# Altium PCB FIT_TDC_ADC.PcbDoc (part 1 of 10) (continued)
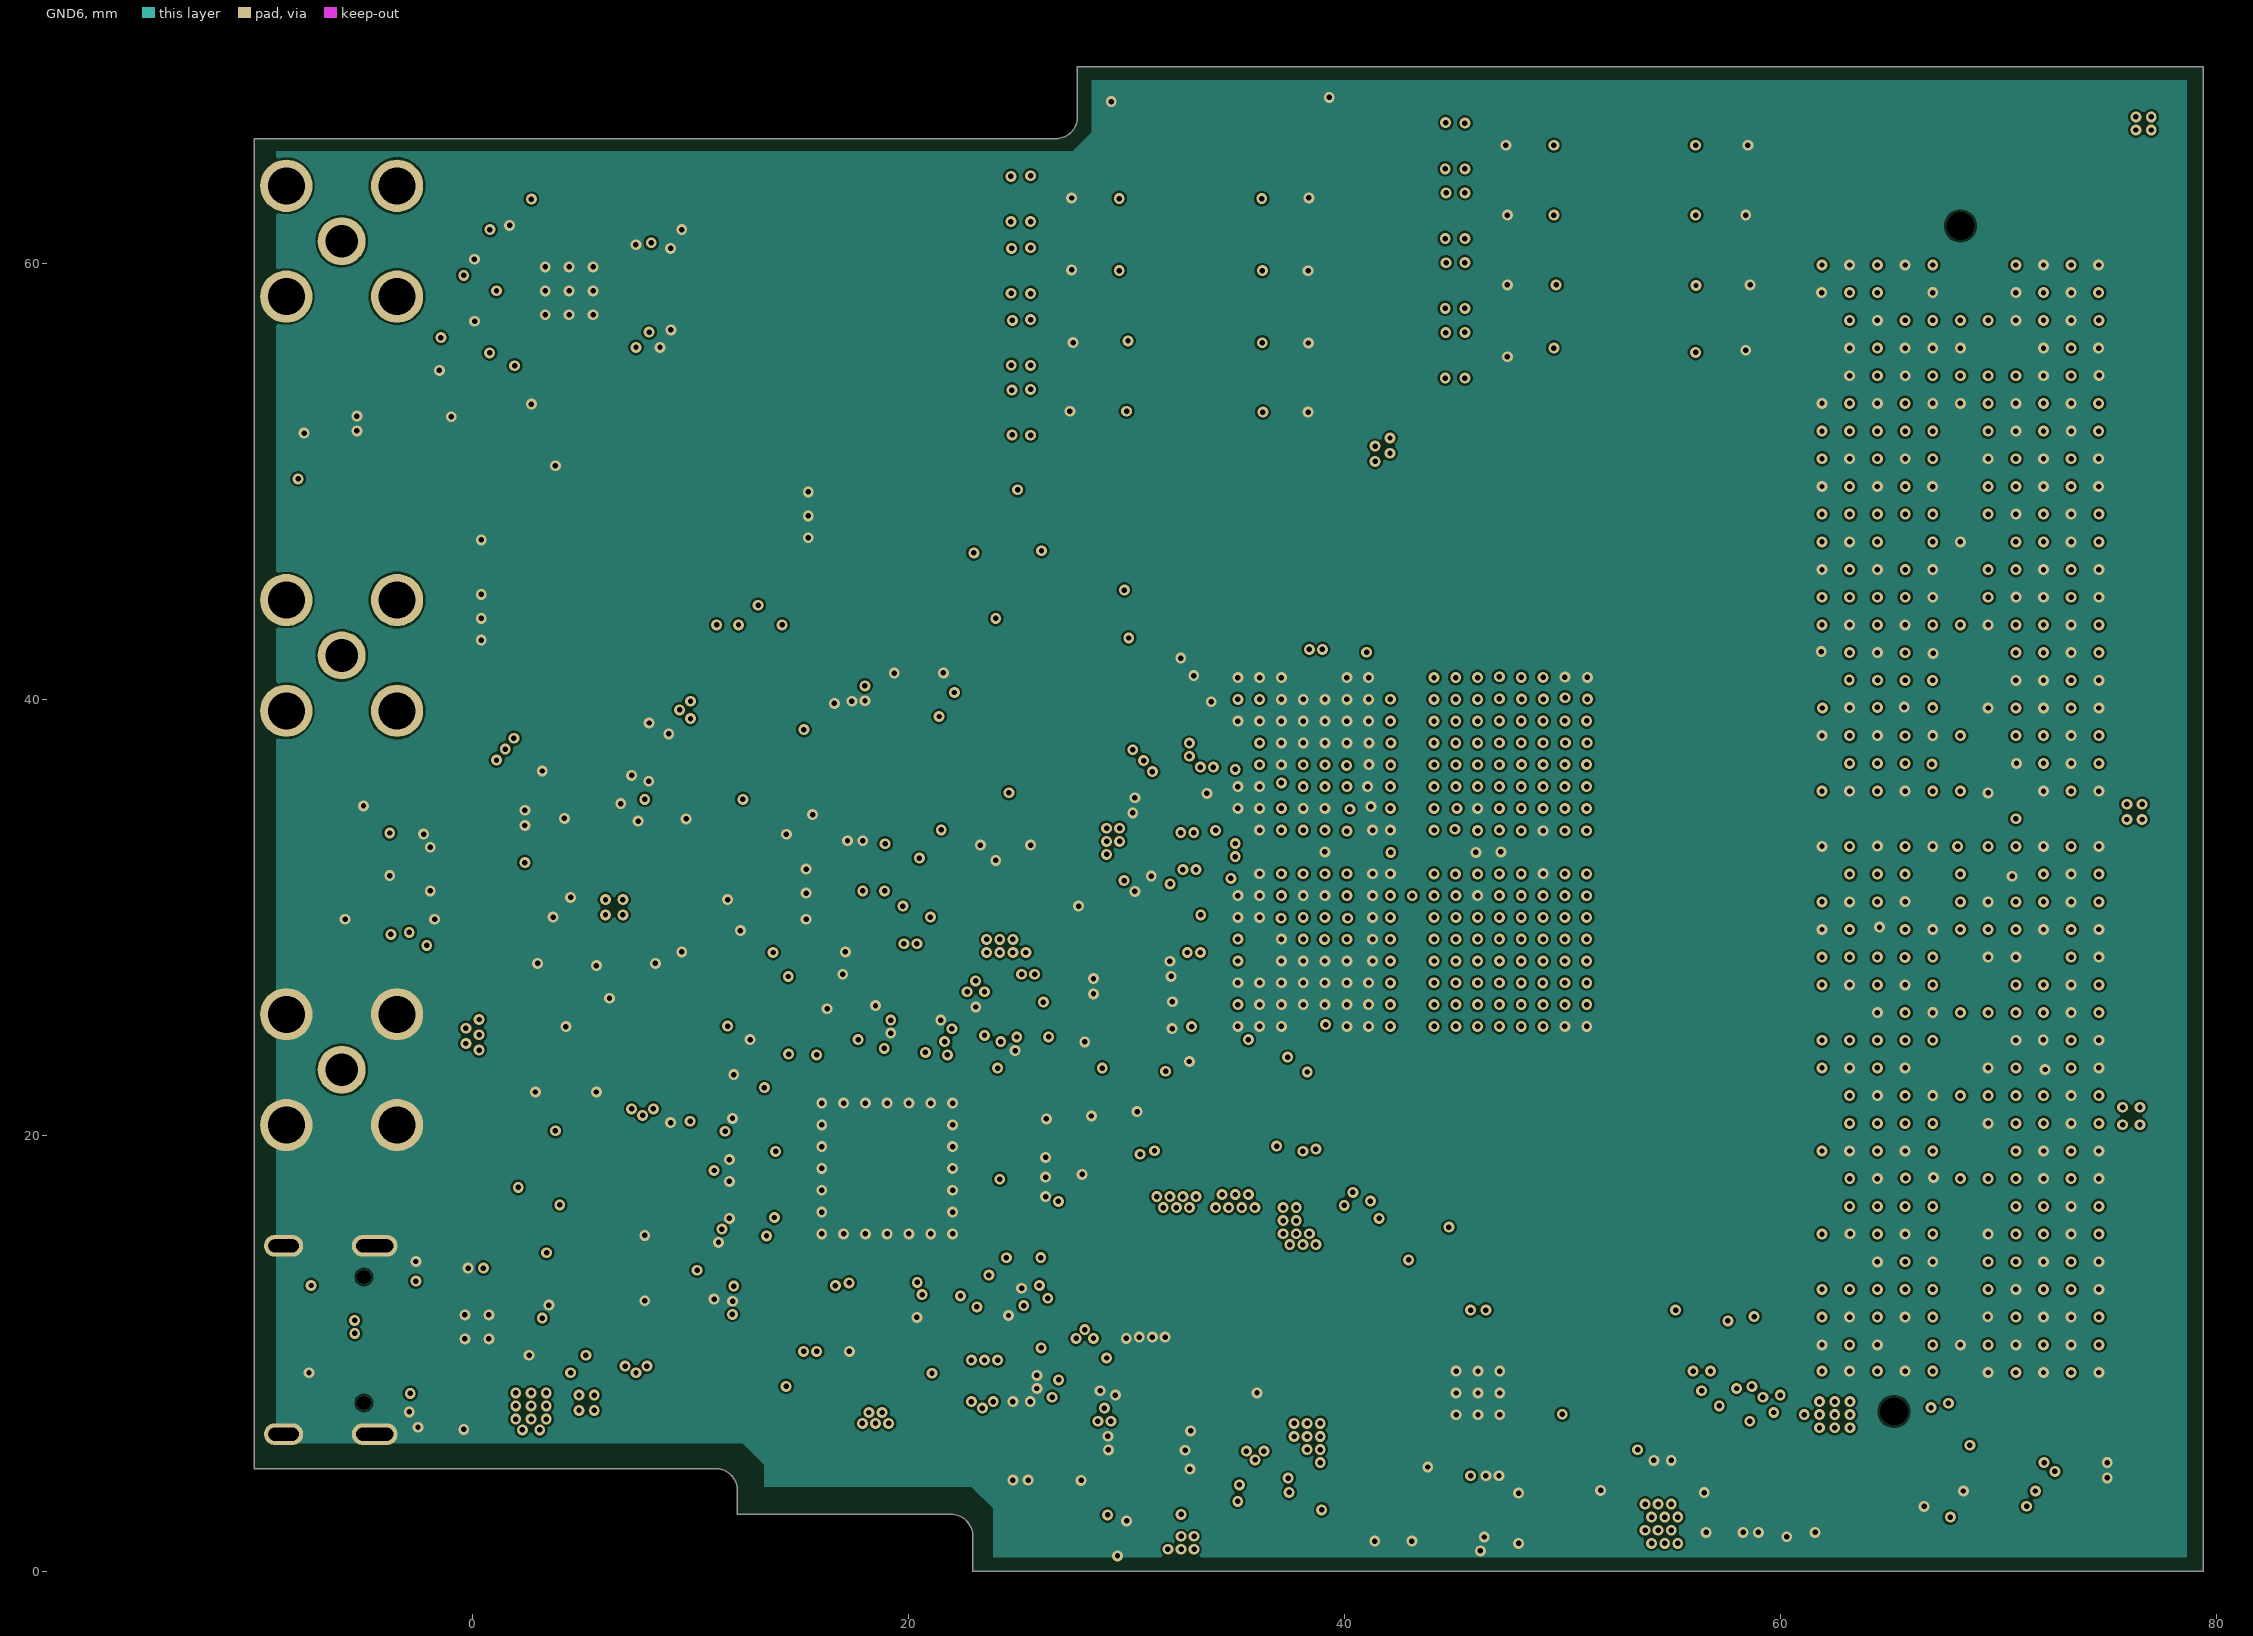
[diagram p7: GND6]
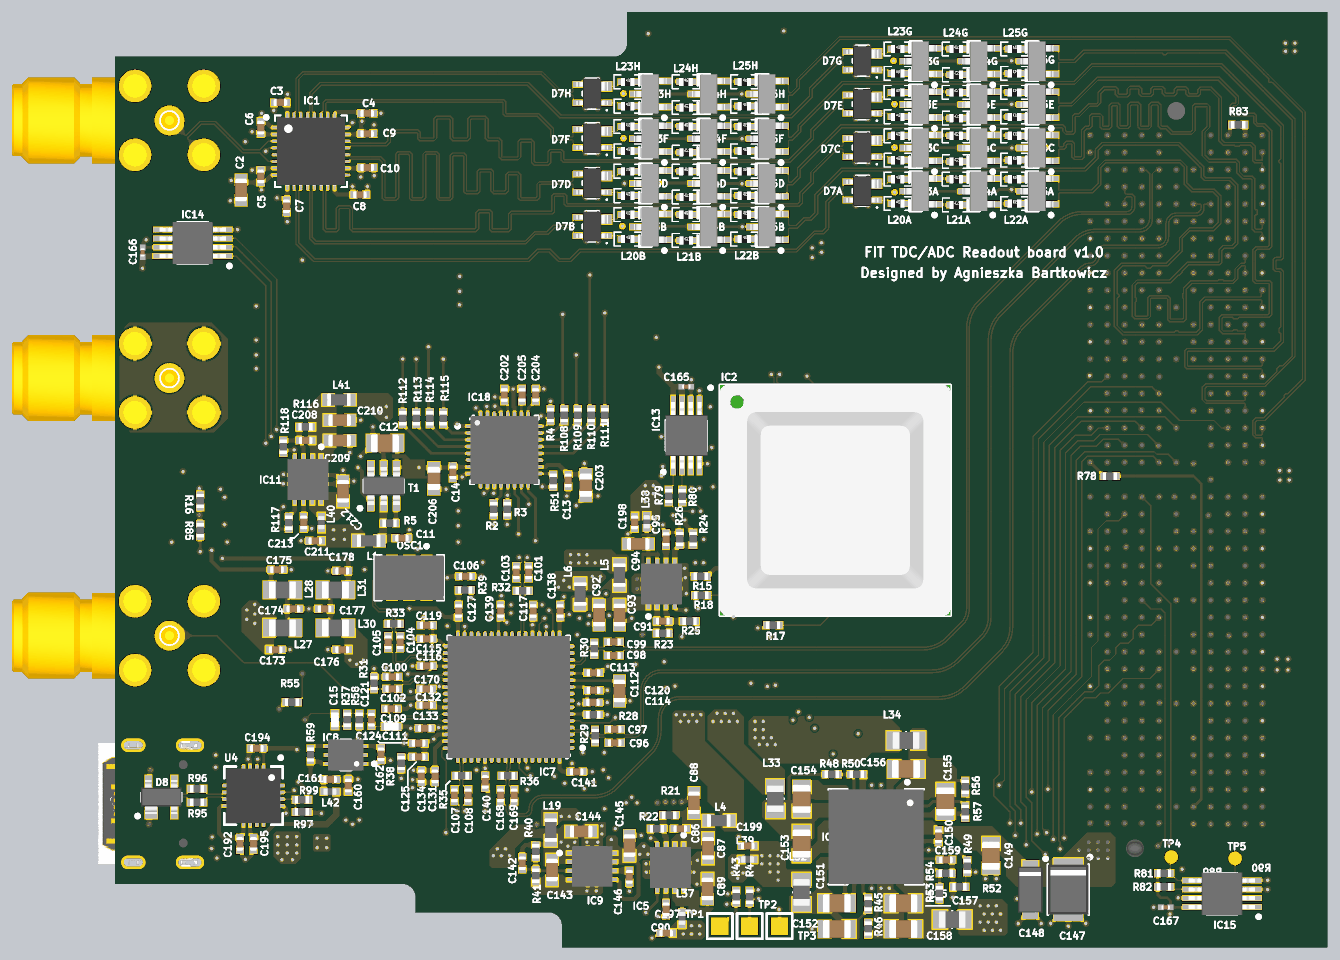
[diagram p17: 3D render of the assembled board from above, using the file's embedded part models]
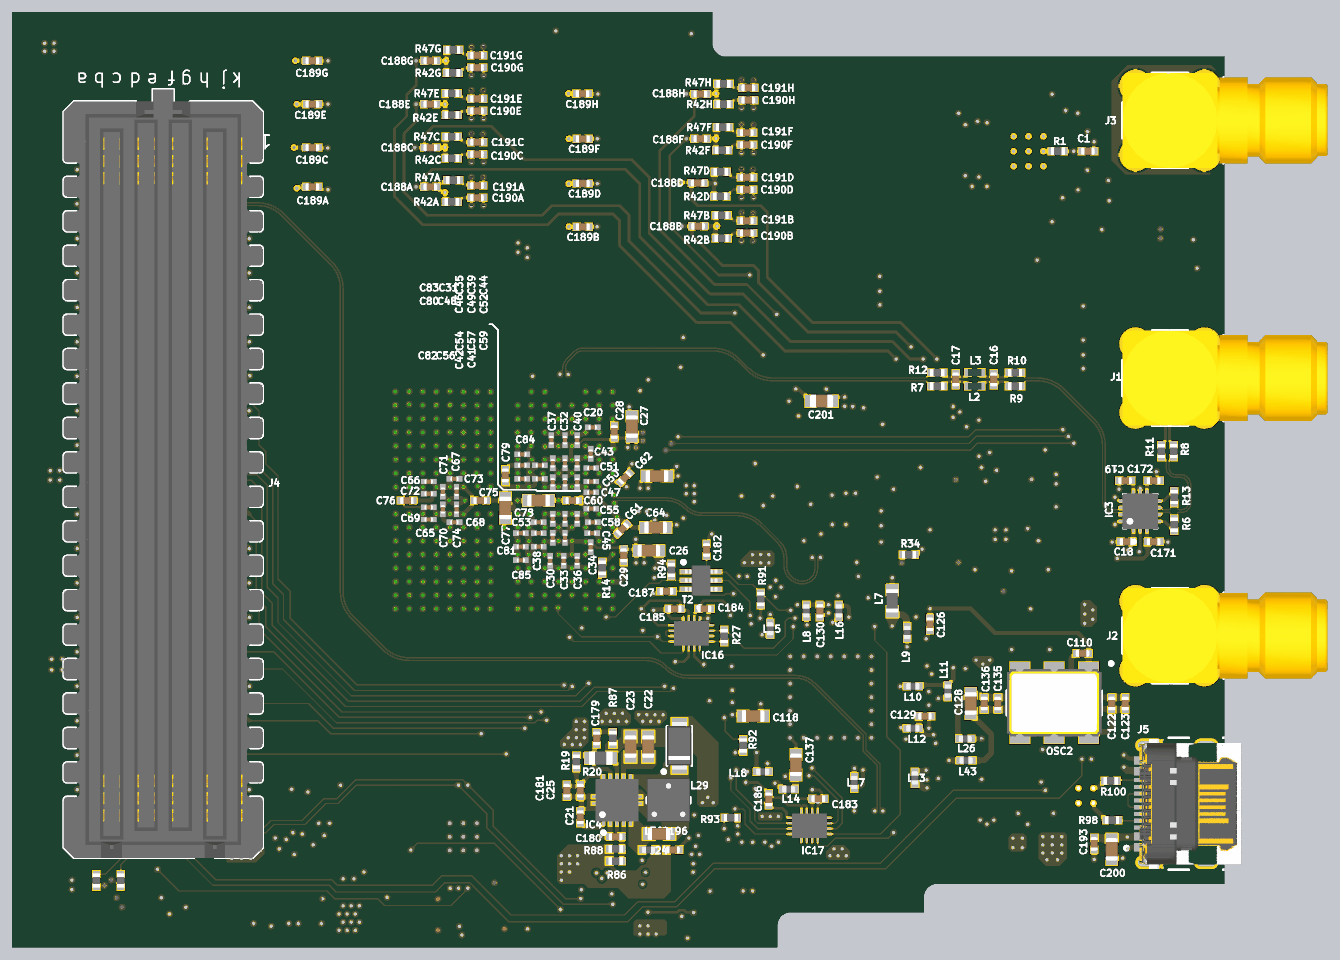
[diagram p18: 3D render of the assembled board from below, using the file's embedded part models]

## Layer stack, top to bottom
Top Solder: solder mask 0.0102, Solder Resist, Dk 3.5
Top Layer: signal copper 0.035
Dielectric 6: prepreg 0.0711, PP-006, Dk 4.1
GND1: signal copper 0.035
Dielectric 4: prepreg 0.0711, PP-006, Dk 4.1
SIGNAL2: signal copper 0.0356
Dielectric 2: prepreg 0.0711, PP-006, Dk 4.1
POWER3: signal copper 0.035
Dielectric 1: dielectric 0.32, FR-4, Dk 4.8
POWER4: signal copper 0.035
Dielectric 3: prepreg 0.0711, PP-006, Dk 4.1
SIGNAL5: signal copper 0.0356
Dielectric 5: prepreg 0.0711, PP-006, Dk 4.1
GND6: signal copper 0.035
Dielectric 7: prepreg 0.0711, PP-006, Dk 4.1
Bottom Layer: signal copper 0.035
Bottom Solder: solder mask 0.0102, Solder Resist, Dk 3.5

## Board outline
11.15,4.7 cw(c11.15,3.7) 12.15,3.7 12.15,2.6 21.95,2.6 cw(c21.95,1.6) 22.95,1.6 22.95,0 79.385,0 79.385,69 27.75,69 27.75,66.7 cw(c26.75,66.7) 26.75,65.7 -10,65.7 -10,4.7

## Design rules (kind name [scope] priority, off if disabled: settings)
Clearance Clearance_pwr [InNetClass('PWR') vs InNetClass('PWR')] p1: gap=0.15 ignorepadtopadclearanceinfootprint=FALSE
Clearance [All] p2: gap=0.1 ignorepadtopadclearanceinfootprint=FALSE
ComponentClearance [All] p1: gap=0.2 collisioncheckmode=3 verticalgap=0.2 showdistances=FALSE donotcheckwithout3dbody=TRUE
DiffPairsRouting [All] p1: maxlimit=0.4 minlimit=0.1 mostfreqgap=0.1 toplayer_minwidth=0.1 toplayer_maxwidth=0.2 toplayer_prefwidth=0.1 midlayer1_minwidth=0.1 midlayer1_maxwidth=0.2 midlayer1_prefwidth=0.1 midlayer2_minwidth=0.1 midlayer2_maxwidth=0.2 midlayer2_prefwidth=0.1 midlayer3_minwidth=0.1 midlayer3_maxwidth=0.2 midlayer3_prefwidth=0.1 midlayer4_minwidth=0.1 midlayer4_maxwidth=0.2 midlayer4_prefwidth=0.1 midlayer5_minwidth=0.1 midlayer5_maxwidth=0.2 midlayer5_prefwidth=0.1 midlayer6_minwidth=0.1 midlayer6_maxwidth=0.2 midlayer6_prefwidth=0.1 bottomlayer_minwidth=0.1 bottomlayer_maxwidth=0.2 bottomlayer_prefwidth=0.1 maxuncoupledlength=12.7
HoleSize [All] p1: absolutevalues=TRUE maxlimit=4 minlimit=0.25 maxpercent=80.000 minpercent=20.000
HoleToHoleClearance [All] p1: gap=0.3 allowstackedmicrovias=TRUE
MinimumSolderMaskSliver [All] p1: minsoldermaskwidth=0
NetAntennae [InNetClass('Test_Point')] p1: netantennaetolerance=3
PasteMaskExpansion [All] p1: expansion=-0.05
PolygonConnect PolygonConnect_gnd [All vs InNet('GND')] p1: connectstyle=Direct reliefconductorwidth=0.254 reliefentries=4 polygonreliefangle="90 Angle" airgapwidth=0.254
PolygonConnect PolygonConnect_pwr [All vs InNetClass('PWR')] p2: connectstyle=Direct reliefconductorwidth=0.254 reliefentries=4 polygonreliefangle="90 Angle" airgapwidth=0.254
PolygonConnect [All] p3: thpad.connectstyle=Relief thpad.reliefconductorwidth=0.3 thpad.reliefentries=4 thpad.polygonreliefangle="90 Angle" thpad.airgapwidth=0.15 smdpad.connectstyle=Relief smdpad.reliefconductorwidth=0.3 smdpad.reliefentries=4 smdpad.polygonreliefangle="90 Angle" smdpad.airgapwidth=0.15 via.connectstyle=Direct via.reliefconductorwidth=0.3 via.reliefentries=4 via.polygonreliefangle="90 Angle" via.airgapwidth=0.15
RoutingVias [All] p1: holewidth=0.3 width=0.6 viastyle="Through Hole" minholewidth=0.25 minwidth=0.5 maxholewidth=0.7 maxwidth=1
SilkToSilkClearance [All] p1: silktosilkclearance=0
SilkToSolderMaskClearance [IsPad] p1: minsilkscreentomaskgap=0 clearancetoexposedcopper=TRUE
SolderMaskExpansion [All] p1: expansion=0.05 istentingtop=FALSE
SupplyNets "Schematic Supply Nets_6" [InNet('P3V3_PLL_VXCO')] p1: voltage=0.000
SupplyNets "Schematic Supply Nets_3" [InNet('GND_VXCO')] p2: voltage=0.000
SupplyNets "Schematic Supply Nets_5" [InNet('P5V0')] p3: voltage=0.000
SupplyNets "Schematic Supply Nets_4" [InNet('P5V0_AVP')] p4: voltage=0.000
SupplyNets "Schematic Supply Nets" [InNet('P12V0_VCAP')] p5: voltage=0.000
SupplyNets "Schematic Supply Nets_2" [InNet('P5V0_USB')] p6: voltage=0.000
SupplyNets "Schematic Supply Nets_29" [InNet('P2V5FRONTEND')] p7: voltage=0.000
SupplyNets "Schematic Supply Nets_28" [InNet('P1V8')] p8: voltage=0.000
SupplyNets "Schematic Supply Nets_27" [InNet('P12V0')] p9: voltage=0.000
SupplyNets "Schematic Supply Nets_26" [InNet('P3V3AUX')] p10: voltage=0.000
SupplyNets "Schematic Supply Nets_25" [InNet('P1V8A')] p11: voltage=0.000
SupplyNets "Schematic Supply Nets_24" [InNet('N2V5FRONTEND')] p12: voltage=0.000
SupplyNets "Schematic Supply Nets_7" [InNet('P2V5')] p13: voltage=0.000
SupplyNets "Schematic Supply Nets_23" [InNet('VADJ')] p14: voltage=0.000
SupplyNets "Schematic Supply Nets_21" [InNet('VIO_B_M2C')] p15: voltage=0.000
SupplyNets "Schematic Supply Nets_20" [InNet('VA_1V1')] p16: voltage=0.000
SupplyNets "Schematic Supply Nets_19" [InNet('VREF_B_M2C')] p17: voltage=0.000
SupplyNets "Schematic Supply Nets_17" [InNet('PLL_VTUNE1')] p18: voltage=0.000
SupplyNets "Schematic Supply Nets_16" [InNet('VD_1V1')] p19: voltage=0.000
SupplyNets "Schematic Supply Nets_15" [InNet('3P3V')] p20: voltage=0.000
SupplyNets "Schematic Supply Nets_14" [InNet('PLL_VCC_BUF')] p21: voltage=0.000
SupplyNets "Schematic Supply Nets_13" [InNet('PLL_VTUNE2')] p22: voltage=0.000
SupplyNets "Schematic Supply Nets_12" [InNet('PLL_VCC_CLKOUT_PLANE')] p23: voltage=0.000
SupplyNets "Schematic Supply Nets_11" [InNet('VA_1V9')] p24: voltage=0.000
SupplyNets "Schematic Supply Nets_10" [InNet('PLL_VCC_PLANE')] p25: voltage=0.000
SupplyNets "Schematic Supply Nets_1" [InNet('GND')] p26: voltage=0.000
Width [All] p1: maxlimit=1 minlimit=0.1 preferedwidth=0.1
21 further rules are at their usual default settings.

## Classes and differential pairs
component class U_TDC_VTUNE_DAC: C11 C12 C13 C14 C201 C202 C203 C204 C205 C206 C208 C209 C210 C211 C212 C213 IC11 IC18 L1 L40 L41 R2 R3 R4 R5 R51 R108 R109 R110 R111 R112 R113 R114 R115 R116 R117 R118 T1
component class U_USB_UART: C192 C193 C194 C195 C200 D8 J5 R95 R96 R97 R98 R99 R100 U4
net class Test_Point: CLK3_BIDIR_N CLK3_BIDIR_P DP0_C2M_N DP0_C2M_P DP0_M2C_N DP0_M2C_P DP1_C2M_N DP1_C2M_P DP2_C2M_N DP2_C2M_P DP3_C2M_N DP3_C2M_P DP4_C2M_N DP4_C2M_P DP5_C2M_N DP5_C2M_P DP6_C2M_N DP6_C2M_P DP7_C2M_N DP7_C2M_P DP8_C2M_N DP8_C2M_P DP9_C2M_N DP9_C2M_P HA14_N HA15_N HA18_N HA19_N HA20_N HA21_N HA22_N HA23_N HB07_N HB08_N HB10_N HB11_N HB12_N HB14_N HB15_N HB18_N LA14_N LA15_N LA16_N LA19_N RES0 TCK TDI TDO TMS TRST_L
net class TRANSCIVERS: GTY_RX_CH_N1 GTY_RX_CH_N2 GTY_RX_CH_N3 GTY_RX_CH_N4 GTY_RX_CH_N5 GTY_RX_CH_N6 GTY_RX_CH_N7 GTY_RX_CH_N8 GTY_RX_CH_P1 GTY_RX_CH_P2 GTY_RX_CH_P3 GTY_RX_CH_P4 GTY_RX_CH_P5 GTY_RX_CH_P6 GTY_RX_CH_P7 GTY_RX_CH_P8
net class PLL_SPI: HA14_P HA15_P HA17_CC_P HA21_P
net class PLL_CONTROL: HA18_P HA19_N HA19_P HA20_N HA20_P
net class I2C: HA14_P HA15_P HA17_CC_P HA23_P
net class CLOCKS: ADC_CLK_N ADC_CLK_P CLK0_M2C_N CLK0_M2C_P GBTCLK0_M2C_N GBTCLK0_M2C_P
net class ADC_SPI: \\ADC_SCS ADC_SCK ADC_SDI ADC_SDO
net class ADC_DATA_C: DC_CLK_N DC_CLK_P DC_D0_N DC_D0_P DC_D1_N DC_D1_P DC_D2_N DC_D2_P DC_D3_N DC_D3_P DC_D4_N DC_D4_P DC_D5_N DC_D5_P DC_D6_N DC_D6_P DC_D7_N DC_D7_P DC_D8_N DC_D8_P DC_D9_N DC_D9_P DC_D10_N DC_D10_P DC_D11_N DC_D11_P DC_STR_N DC_STR_P
net class ADC_DATA_D: DD_CLK_N DD_CLK_P DD_D0_N DD_D0_P DD_D1_N DD_D1_P DD_D2_N DD_D2_P DD_D3_N DD_D3_P DD_D4_N DD_D4_P DD_D5_N DD_D5_P DD_D6_N DD_D6_P DD_D7_N DD_D7_P DD_D8_N DD_D8_P DD_D9_N DD_D9_P DD_D10_N DD_D10_P DD_D11_N DD_D11_P DD_STR_N DD_STR_P
net class ADC_DATA_B: DB_CLK_N DB_CLK_P DB_D0_N DB_D0_P DB_D1_N DB_D1_P DB_D2_N DB_D2_P DB_D3_N DB_D3_P DB_D4_N DB_D4_P DB_D5_N DB_D5_P DB_D6_N DB_D6_P DB_D7_N DB_D7_P DB_D8_N DB_D8_P DB_D9_N DB_D9_P DB_D10_N DB_D10_P DB_D11_N DB_D11_P DB_STR_N DB_STR_P
net class ADC_DATA_A: DA_CLK_N DA_CLK_P DA_D0_N DA_D0_P DA_D1_N DA_D1_P DA_D2_N DA_D2_P DA_D3_N DA_D3_P DA_D4_N DA_D4_P DA_D5_N DA_D5_P DA_D6_N DA_D6_P DA_D7_N DA_D7_P DA_D8_N DA_D8_P DA_D9_N DA_D9_P DA_D10_N DA_D10_P DA_D11_N DA_D11_P DA_STR_N DA_STR_P
net class ADC_CONTROL: \\SYNCSE ADC_PD CALSTAT CALTRIG HB11_P HB12_P HB14_P HB15_P
channel class TDC_CH: TDC_DL_CHB TDC_DL_CHC TDC_DL_CHD TDC_DL_CHE TDC_DL_CHF TDC_DL_CHG TDC_DL_CHH TDC_DL_CHI
net class VCTRL_A_CH[1..8]: VCTRL_A_CH1 VCTRL_A_CH2 VCTRL_A_CH3 VCTRL_A_CH4 VCTRL_A_CH5 VCTRL_A_CH6 VCTRL_A_CH7 VCTRL_A_CH8
net class PWR: N2V5FRONTEND NetC22_2 NetC24_2 NetC86_2 NetC91_2 NetC145_2 NetC151_2 NetC153_2 NetC155_2 NetC157_2 NetC208_2 NetC212_2 NetD6_1 P1V8 P1V8A P2V5 P2V5FRONTEND P5V0 P5V0_AVP P12V0 P12V0_VCAP PLL_VCC_BUF PLL_VCC_CLKOUT_PLANE PLL_VCC_PLANE PLL_VCCP1 PLL_VCCP2 VA_1V1 VA_1V9 VD_1V1
net class GTY_RX_CH_P[1..8]: GTY_RX_CH_P1 GTY_RX_CH_P2 GTY_RX_CH_P3 GTY_RX_CH_P4 GTY_RX_CH_P5 GTY_RX_CH_P6 GTY_RX_CH_P7 GTY_RX_CH_P8
net class GTY_RX_CH_N[1..8]: GTY_RX_CH_N1 GTY_RX_CH_N2 GTY_RX_CH_N3 GTY_RX_CH_N4 GTY_RX_CH_N5 GTY_RX_CH_N6 GTY_RX_CH_N7 GTY_RX_CH_N8
net class DL_CH_P[1..8]: DL_CH_P1 DL_CH_P2 DL_CH_P3 DL_CH_P4 DL_CH_P5 DL_CH_P6 DL_CH_P7 DL_CH_P8
net class DL_CH_N[1..8]: DL_CH_N1 DL_CH_N2 DL_CH_N3 DL_CH_N4 DL_CH_N5 DL_CH_N6 DL_CH_N7 DL_CH_N8
component class U_TDC: C1 C2 C3 C4 C5 C6 C7 C8 C9 C10 IC1 R1
component class U_LOCAL_POWER: C147 C148 C149 C150 C151 C152 C153 C154 C155 C156 C157 C158 C159 IC10 L32 L33 L34 L35 R43 R44 R45 R46 R48 R49 R50 R52 R53 R54 R56 R57 R89 R90 TP1 TP2 TP3
component class U_FMC: J4 R83
component class U_FMC_EEPROM: C165 C166 C167 IC13 IC14 IC15 R78 R79 R80 R81 R82 TP4 TP5
component class U_ADC5G_POWER: C26 C27 C28 C29 C30 C31 C32 C33 C34 C35 C36 C37 C38 C39 C40 C41 C42 C43 C44 C45 C46 C47 C48 C49 C50 C51 C52 C53 C54 C55 C56 C57 C58 C59 C60 C61 C62 C63 C64 C65 C66 C67 C68 C69 C70 C71 C72 C73 C74 C75 C76 C77 C78 C79 C80 C81 C82 C83 C84 C85 C86 C87 C88 C89 C90 C91 C92 C93 C94 C95 C197 C198 IC5 IC6 L4 L5 L6 L37 L38 R21 R22 R23 R24 R25 R26
component class U_ADC5G_PLL: C15 C96 C97 C98 C99 C100 C101 C102 C103 C104 C105 C106 C107 C108 C109 C110 C111 C112 C113 C114 C115 C116 C117 C118 C119 C120 C121 C122 C123 C124 C125 C126 C127 C128 C129 C130 C131 C132 C133 C134 C135 C136 C137 C138 C139 C140 C141 C142 C143 C144 C145 C146 C160 C161 C162 C168 C169 C170 C182 C183 C184 C185 C186 C187 C199 IC7 IC8 IC9 IC16 IC17 L7 L8 L9 L10 L11 L12 L13 L14 L15 L16 L17 L18 L19 L26 L39 L42 L43 OSC1 OSC2 R27 R28 R29 R30 R31 R32 R33 R34 R35 R36 R37 R38 R39 R40 R41 R55 R58 R59 R91 R92 R93 R94 T2
component class U_ADC5G_FRONTEND: C16 C17 C18 C19 C20 C21 C22 C23 C24 C25 C171 C172 C173 C174 C175 C176 C177 C178 C179 C180 C181 C196 D6 IC2 IC3 IC4 L2 L3 L27 L28 L29 L30 L31 L36 R6 R7 R8 R9 R10 R11 R12 R13 R14 R15 R16 R17 R18 R19 R20 R85 R86 R87 R88
component class TOP: J1 J2 J3
component class TDC_DL_CHI: C188H C189H C190H C191H D3H D4H D5H D7H L20H L21H L22H L23H L24H L25H R42H R47H
component class TDC_DL_CHH: C188G C189G C190G C191G D3G D4G D5G D7G L20G L21G L22G L23G L24G L25G R42G R47G
component class TDC_DL_CHG: C188F C189F C190F C191F D3F D4F D5F D7F L20F L21F L22F L23F L24F L25F R42F R47F
component class TDC_DL_CHF: C188E C189E C190E C191E D3E D4E D5E D7E L20E L21E L22E L23E L24E L25E R42E R47E
component class TDC_DL_CHE: C188D C189D C190D C191D D3D D4D D5D D7D L20D L21D L22D L23D L24D L25D R42D R47D
component class TDC_DL_CHD: C188C C189C C190C C191C D3C D4C D5C D7C L20C L21C L22C L23C L24C L25C R42C R47C
component class TDC_DL_CHC: C188B C189B C190B C191B D3B D4B D5B D7B L20B L21B L22B L23B L24B L25B R42B R47B
component class TDC_DL_CHB: C188A C189A C190A C191A D3A D4A D5A D7A L20A L21A L22A L23A L24A L25A R42A R47A
differential pair DIN: +DIN_P -DIN_N
differential pair AIN: +AIN_P -AIN_N
differential pair USB_RD: +USB_RD_P -USB_RD_N
differential pair USB_D: +USB_D_P -USB_D_N
differential pair AMP_ROUT: +AMP_ROUT_P -AMP_ROUT_N
differential pair AMP_RLOUT: +AMP_RLOUT_P -AMP_RLOUT_N
differential pair AMP_OUT: +AMP_OUT_P -AMP_OUT_N
differential pair AMP_IN: +AMP_IN_P -AMP_IN_N
differential pair DL_DH: +DL_DH_P -DL_DH_N
differential pair DL_DG: +DL_DG_P -DL_DG_N
differential pair DL_DF: +DL_DF_P -DL_DF_N
differential pair DL_DE: +DL_DE_P -DL_DE_N
differential pair DL_DD: +DL_DD_P -DL_DD_N
differential pair DL_DC: +DL_DC_P -DL_DC_N
differential pair DL_DB: +DL_DB_P -DL_DB_N
differential pair DL_DA: +DL_DA_P -DL_DA_N
differential pair DL_LLH: +DL_LLH_P -DL_LLH_N
differential pair DL_LLG: +DL_LLG_P -DL_LLG_N
differential pair DL_LLF: +DL_LLF_P -DL_LLF_N
differential pair DL_LLE: +DL_LLE_P -DL_LLE_N
differential pair DL_LLD: +DL_LLD_P -DL_LLD_N
differential pair DL_LLC: +DL_LLC_P -DL_LLC_N
differential pair DL_LLB: +DL_LLB_P -DL_LLB_N
differential pair DL_LLA: +DL_LLA_P -DL_LLA_N
differential pair DL_LH: +DL_LH_P -DL_LH_N
differential pair DL_LG: +DL_LG_P -DL_LG_N
differential pair DL_LF: +DL_LF_P -DL_LF_N
differential pair DL_LE: +DL_LE_P -DL_LE_N
differential pair DL_LD: +DL_LD_P -DL_LD_N
differential pair DL_LC: +DL_LC_P -DL_LC_N
differential pair DL_LB: +DL_LB_P -DL_LB_N
differential pair DL_LA: +DL_LA_P -DL_LA_N
differential pair PLL_GENx: +PLL_GENx_P -PLL_GENx_N
differential pair PLL_GEN: +PLL_GEN_P -PLL_GEN_N
differential pair PLL_CLK11: +PLL_CLK11_P -PLL_CLK11_N
differential pair PLL_CLK9: +PLL_CLK9_P -PLL_CLK9_N
differential pair PLL_CLK5: +PLL_CLK5_P -PLL_CLK5_N
differential pair PLL_CLK3: +PLL_CLK3_P -PLL_CLK3_N
differential pair PLL_CLK1: +PLL_CLK1_P -PLL_CLK1_N
differential pair CLK2_BIDIR: +CLK2_BIDIR_P -CLK2_BIDIR_N
differential pair HA16: +HA16_P -HA16_N
differential pair DB_D0: +DB_D0_P -DB_D0_N
differential pair DA_D10: +DA_D10_P -DA_D10_N
differential pair DA_D8: +DA_D8_P -DA_D8_N
differential pair DA_D11: +DA_D11_P -DA_D11_N
differential pair DA_D9: +DA_D9_P -DA_D9_N
differential pair DA_D7: +DA_D7_P -DA_D7_N
differential pair GTY_RX_CH8: +GTY_RX_CH_P8 -GTY_RX_CH_N8
differential pair GTY_RX_CH7: +GTY_RX_CH_P7 -GTY_RX_CH_N7
differential pair GTY_RX_CH6: +GTY_RX_CH_P6 -GTY_RX_CH_N6
differential pair GTY_RX_CH5: +GTY_RX_CH_P5 -GTY_RX_CH_N5
differential pair GTY_RX_CH4: +GTY_RX_CH_P4 -GTY_RX_CH_N4
differential pair GTY_RX_CH3: +GTY_RX_CH_P3 -GTY_RX_CH_N3
differential pair GTY_RX_CH2: +GTY_RX_CH_P2 -GTY_RX_CH_N2
differential pair GTY_RX_CH1: +GTY_RX_CH_P1 -GTY_RX_CH_N1
differential pair GBTCLK1_M2C: +GBTCLK1_M2C_P -GBTCLK1_M2C_N
differential pair GBTCLK0_M2C: +GBTCLK0_M2C_P -GBTCLK0_M2C_N
differential pair DP9_M2C: +DP9_M2C_P -DP9_M2C_N
differential pair DP9_C2M: +DP9_C2M_P -DP9_C2M_N
differential pair DP8_C2M: +DP8_C2M_P -DP8_C2M_N
differential pair DP7_C2M: +DP7_C2M_P -DP7_C2M_N
differential pair DP6_C2M: +DP6_C2M_P -DP6_C2M_N
differential pair DP5_C2M: +DP5_C2M_P -DP5_C2M_N
differential pair DP4_C2M: +DP4_C2M_P -DP4_C2M_N
differential pair DP3_C2M: +DP3_C2M_P -DP3_C2M_N
differential pair DP2_C2M: +DP2_C2M_P -DP2_C2M_N
differential pair DP1_C2M: +DP1_C2M_P -DP1_C2M_N
differential pair DP0_M2C: +DP0_M2C_P -DP0_M2C_N
differential pair DP0_C2M: +DP0_C2M_P -DP0_C2M_N
differential pair DL_CH8: +DL_CH_P8 -DL_CH_N8
differential pair DL_CH7: +DL_CH_P7 -DL_CH_N7
differential pair DL_CH6: +DL_CH_P6 -DL_CH_N6
differential pair DL_CH5: +DL_CH_P5 -DL_CH_N5
differential pair DL_CH4: +DL_CH_P4 -DL_CH_N4
differential pair DL_CH3: +DL_CH_P3 -DL_CH_N3
differential pair DL_CH2: +DL_CH_P2 -DL_CH_N2
differential pair DL_CH1: +DL_CH_P1 -DL_CH_N1
differential pair DD_STR: +DD_STR_P -DD_STR_N
differential pair DD_D11: +DD_D11_P -DD_D11_N
differential pair DD_D10: +DD_D10_P -DD_D10_N
differential pair DD_D9: +DD_D9_P -DD_D9_N
differential pair DD_D8: +DD_D8_P -DD_D8_N
differential pair DD_D7: +DD_D7_P -DD_D7_N
differential pair DD_D6: +DD_D6_P -DD_D6_N
differential pair DD_D5: +DD_D5_P -DD_D5_N
differential pair DD_D4: +DD_D4_P -DD_D4_N
differential pair DD_D3: +DD_D3_P -DD_D3_N
differential pair DD_D2: +DD_D2_P -DD_D2_N
differential pair DD_D1: +DD_D1_P -DD_D1_N
differential pair DD_D0: +DD_D0_P -DD_D0_N
differential pair DD_CLK: +DD_CLK_P -DD_CLK_N
differential pair DC_STR: +DC_STR_P -DC_STR_N
differential pair DC_D11: +DC_D11_P -DC_D11_N
differential pair DC_D10: +DC_D10_P -DC_D10_N
differential pair DC_D9: +DC_D9_P -DC_D9_N
differential pair DC_D8: +DC_D8_P -DC_D8_N
differential pair DC_D7: +DC_D7_P -DC_D7_N
differential pair DC_D6: +DC_D6_P -DC_D6_N
differential pair DC_D5: +DC_D5_P -DC_D5_N
differential pair DC_D4: +DC_D4_P -DC_D4_N
differential pair DC_D3: +DC_D3_P -DC_D3_N
differential pair DC_D2: +DC_D2_P -DC_D2_N
differential pair DC_D1: +DC_D1_P -DC_D1_N
differential pair DC_D0: +DC_D0_P -DC_D0_N
differential pair DC_CLK: +DC_CLK_P -DC_CLK_N
differential pair DB_STR: +DB_STR_P -DB_STR_N
differential pair DB_D11: +DB_D11_P -DB_D11_N
differential pair DB_D10: +DB_D10_P -DB_D10_N
differential pair DB_D9: +DB_D9_P -DB_D9_N
differential pair DB_D8: +DB_D8_P -DB_D8_N
differential pair DB_D7: +DB_D7_P -DB_D7_N
differential pair DB_D6: +DB_D6_P -DB_D6_N
differential pair DB_D5: +DB_D5_P -DB_D5_N
differential pair DB_D4: +DB_D4_P -DB_D4_N
differential pair DB_D3: +DB_D3_P -DB_D3_N
differential pair DB_D2: +DB_D2_P -DB_D2_N
differential pair DB_D1: +DB_D1_P -DB_D1_N
differential pair DB_CLK: +DB_CLK_P -DB_CLK_N
differential pair DA_STR: +DA_STR_P -DA_STR_N
differential pair DA_D6: +DA_D6_P -DA_D6_N
differential pair DA_D5: +DA_D5_P -DA_D5_N
differential pair DA_D4: +DA_D4_P -DA_D4_N
differential pair DA_D3: +DA_D3_P -DA_D3_N
differential pair DA_D2: +DA_D2_P -DA_D2_N
differential pair DA_D1: +DA_D1_P -DA_D1_N
differential pair DA_D0: +DA_D0_P -DA_D0_N
differential pair DA_CLK: +DA_CLK_P -DA_CLK_N
differential pair CLK3_BIDIR: +CLK3_BIDIR_P -CLK3_BIDIR_N
differential pair CLK1_M2C: +CLK1_M2C_P -CLK1_M2C_N
differential pair CLK0_M2C: +CLK0_M2C_P -CLK0_M2C_N
differential pair ADC_IN: +ADC_IN_P -ADC_IN_N
differential pair ADC_CLK: +ADC_CLK_P -ADC_CLK_N
